# Altium PCB 串口板2.0.PcbDoc (part 2 of 2)
Units mil, origin at the board's own origin, x right, y up, seen from the top; angles counter-clockwise.
Board outline 4527.56 x 2952.76 mil, 2 copper layers (Top Layer, Bottom Layer); 155 components, 162 nets, 567 pads, 185 vias.
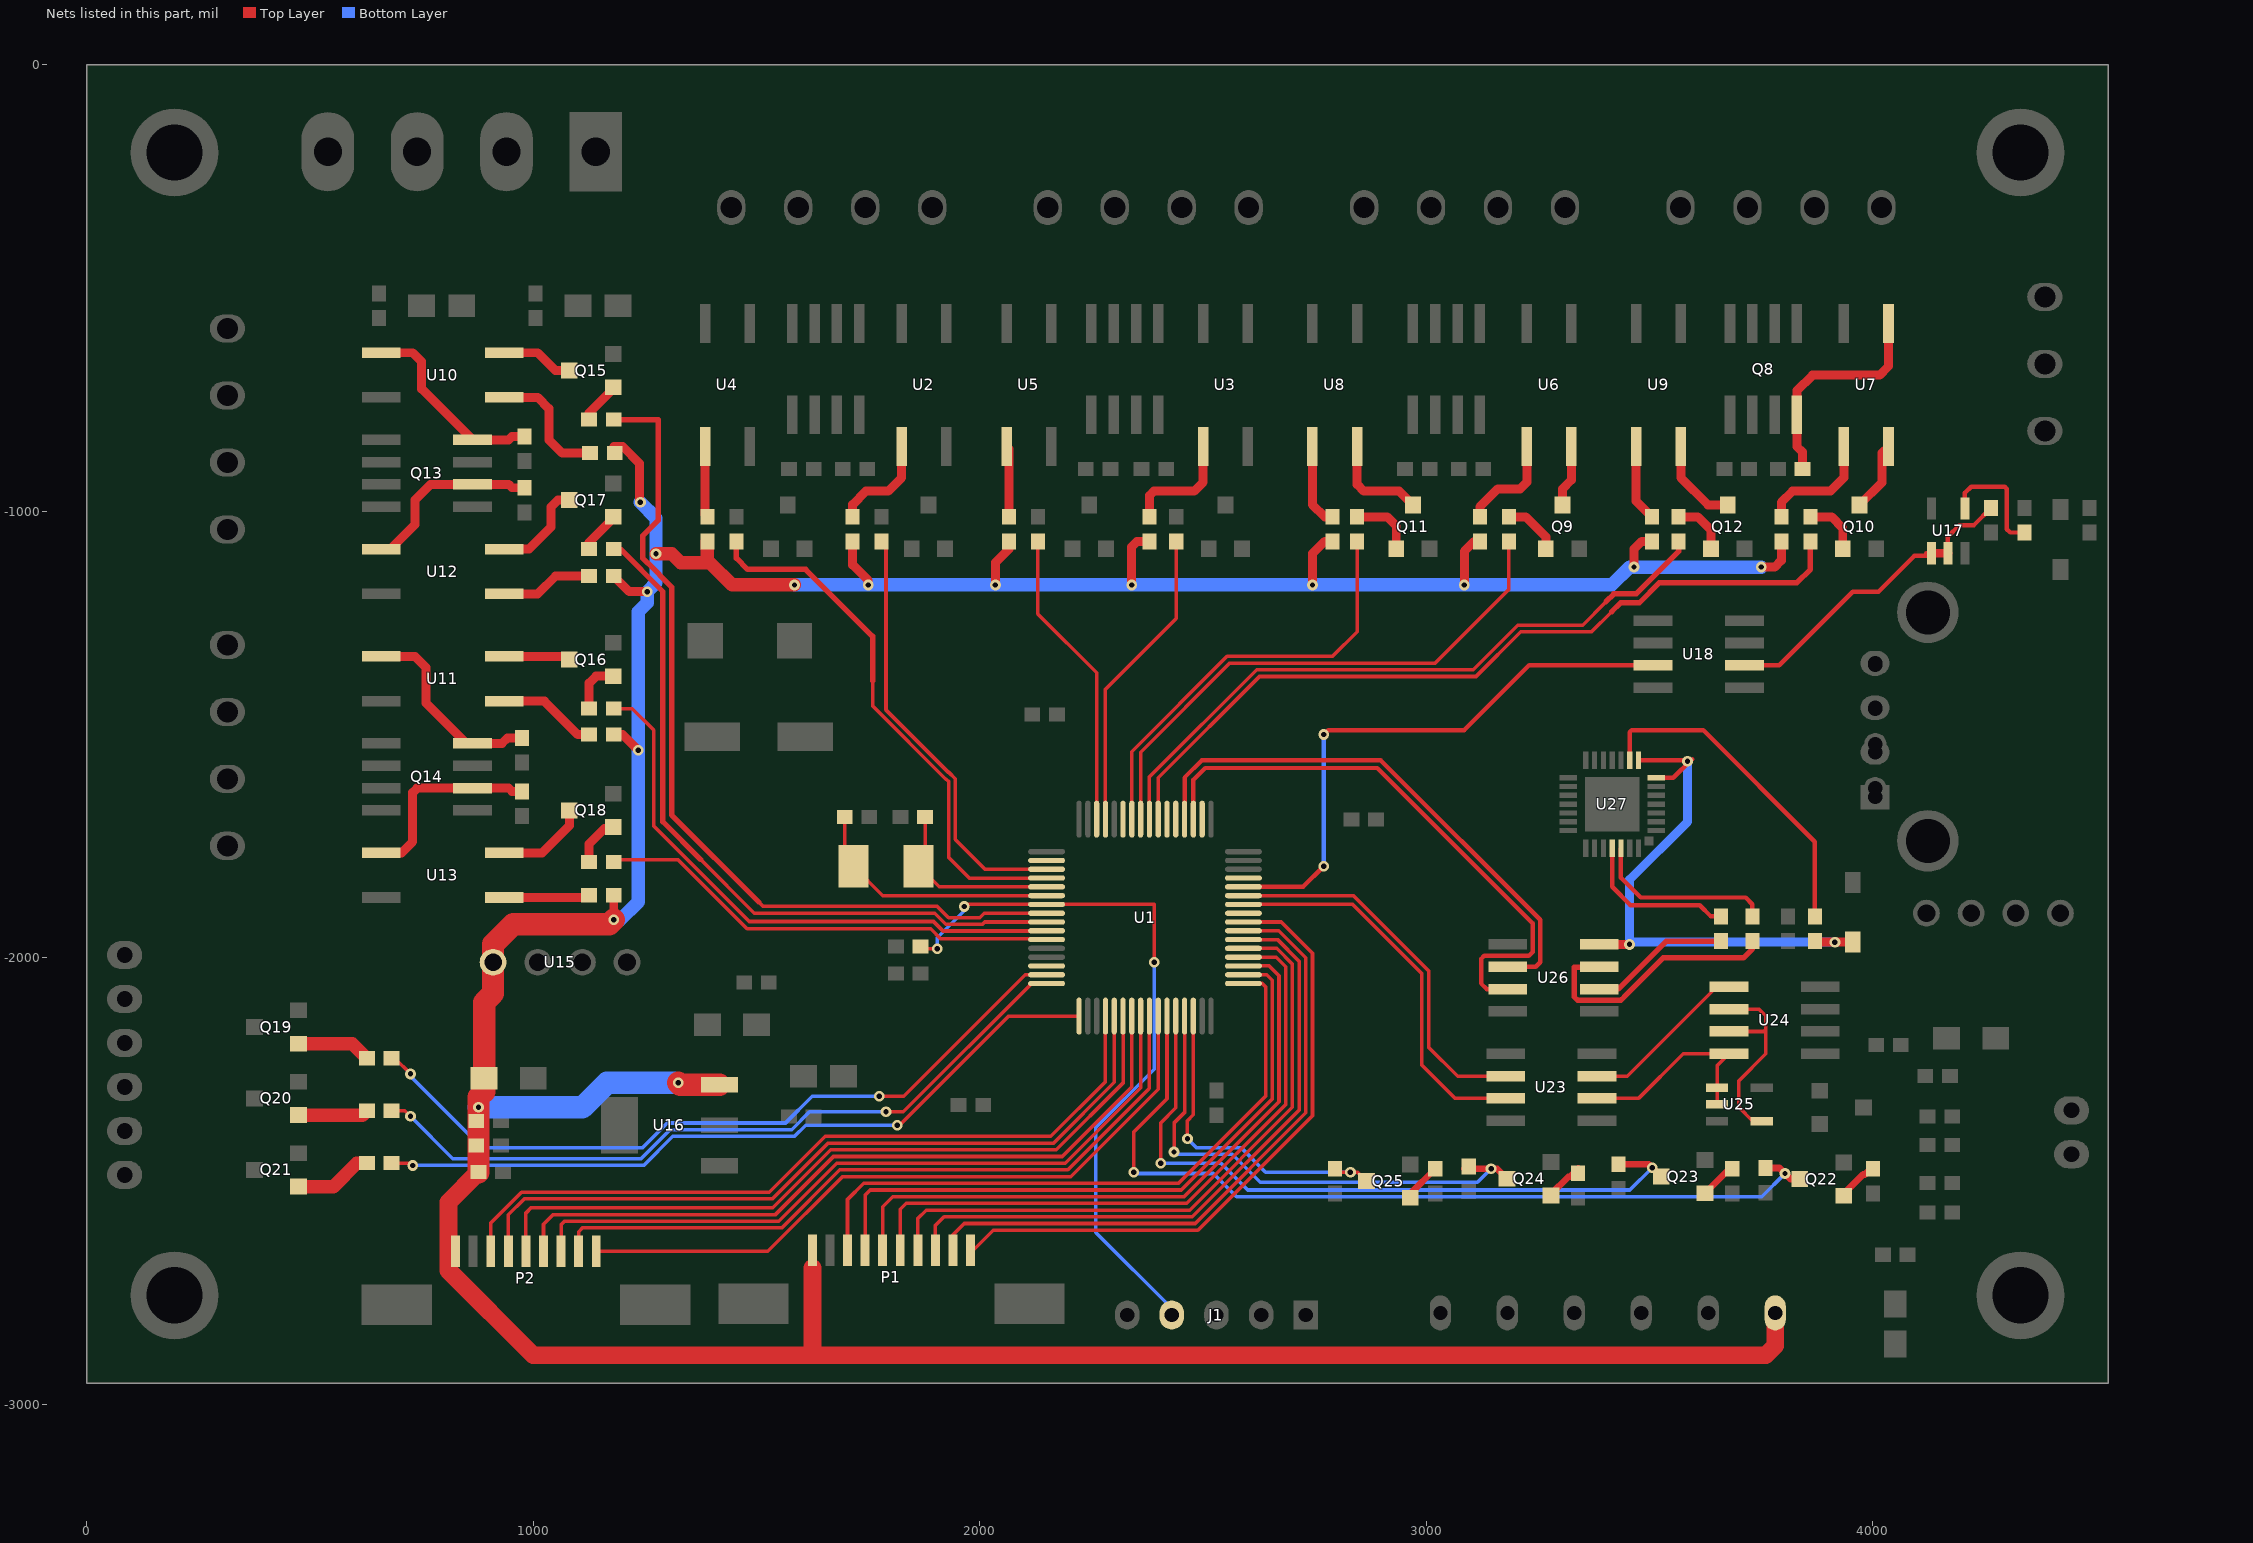
[diagram p2: the nets of this part, all layers, seen from the top]

## Via types
v1: diameter 24, hole 12, Top Layer to Bottom Layer, 185 vias

## Nets (pads, with @x,y where several pads share a name; then routed paths per layer and width w, separated by ;. In a path a pad name is that pad's centre, name@x,y a point inside that pad or via, vN(x,y) a via of type N, cw(c..) or ccw(c..) an arc to the next point about the centre after c; other vN are vias at no path point) (continued)
NetQ8_4: Q8.4 R22.2 U7.3 | length 503.8
  Top Layer w20: R22.2@3842.56,-905.25 3842.56,-867.56 3830,-855 Q8.4@3830,-784.13 3830,-730 3865,-695 4015,-695 4035,-675 U7.3@4035,-579.41
NetQ9_1: Q9.1 R16.1 | length 127.9
  Top Layer w20: R16.1@3185,-1012.44 3222.44,-1012.44 3267.6,-1057.6 Q9.1@3267.6,-1084.21
NetQ9_3: Q9.3 U6.2 | length 139.1
  Top Layer w20: Q9.3@3305,-985.79 3305,-950 3325,-930 U6.2@3325,-855.02
NetQ10_1: Q10.1 R17.1 | length 129.6
  Top Layer w20: R17.1@3860,-1012.44 3907.44,-1012.44 3932.6,-1037.6 Q10.1@3932.6,-1084.21
NetQ10_3: Q10.3 U7.2 | length 157.7
  Top Layer w20: Q10.3@3970,-985.79 4020,-935.79 4020,-870.02 U7.2@4035,-855.02
NetQ11_1: Q11.1 R24.1 | length 147.6
  Top Layer w20: R24.1@2845,-1012.44 2912.44,-1012.44 2932.6,-1032.6 Q11.1@2932.6,-1084.21
NetQ11_3: Q11.3 U8.2 | length 228.9
  Top Layer w20: U8.2@2845,-855.02 2845,-940 2860,-955 2939.21,-955 Q11.3@2970,-985.79
NetQ12_1: Q12.1 R25.1 | length 133.5
  Top Layer w20: R25.1@3565,-1012.44 3607.44,-1012.44 3637.6,-1042.6 Q12.1@3637.6,-1084.21 Q12.1@3630.79,-1084.21
NetQ12_3: Q12.3 U9.2 | length 200.2
  Top Layer w20: U9.2@3570,-855.02 3570,-925 3630.79,-985.79 Q12.3@3675,-985.79
NetQ13_2: Q13.2 R33.1 U12.3 | length 416
  Top Layer w20: U12.3@659.41,-1085 680,-1085 735,-1030 735,-975 770,-940 Q13.2@864.13,-940 945,-940 952.44,-947.44 R33.1@980,-947.44
NetQ13_4: Q13.4 R32.2 U10.3 | length 440.1
  Top Layer w20: U10.3@659.41,-645 730,-645 750,-665 750,-725.87 Q13.4@864.13,-840 945,-840 952.56,-832.44 R32.2@980,-832.44
NetQ14_2: Q14.2 R35.1 U13.3 | length 443.2
  Top Layer w20: U13.3@659.41,-1765 705,-1765 730,-1740 730,-1630 740,-1620 Q14.2@864.13,-1620 945,-1620 952.44,-1627.44 R35.1@975,-1627.44
NetQ14_4: Q14.4 R34.2 U11.3 | length 448.4
  Top Layer w20: U11.3@659.41,-1325 735,-1325 760,-1350 760,-1430 850,-1520 Q14.4@864.13,-1520 930,-1520 942.56,-1507.44 R34.2@975,-1507.44
NetQ15_1: Q15.1 R28.1 | length 95
  Top Layer w20: R28.1@1125.08,-795 1125.08,-779.92 1179.21,-725.79 Q15.1@1179.21,-722.4
NetQ15_3: Q15.3 U10.2 | length 162.3
  Top Layer w20: U10.2@935.02,-645 1010,-645 1050,-685 Q15.3@1080.79,-685
NetQ16_1: Q16.1 R29.1 | length 117.6
  Top Layer w20: R29.1@1125.08,-1442 1125.08,-1384.92 1140.6,-1369.4 Q16.1@1179.21,-1369.4
NetQ16_3: Q16.3 U11.2 | length 148.7
  Top Layer w20: U11.2@935.02,-1325 1073.79,-1325 Q16.3@1080.79,-1332
NetQ17_1: Q17.1 R36.1 | length 95
  Top Layer w20: R36.1@1125.08,-1085 1125.08,-1069.92 1179.21,-1015.79 Q17.1@1179.21,-1012.4
NetQ17_3: Q17.3 U12.2 | length 217.7
  Top Layer w20: U12.2@935.02,-1085 990,-1085 1040,-1035 1040,-990 1055,-975 Q17.3@1080.79,-975
NetQ18_1: Q18.1 R37.1 | length 89.5
  Top Layer w20: R37.1@1125.08,-1785 1125.08,-1744.92 1160,-1710
NetQ18_3: Q18.3 U13.2 | length 205.2
  Top Layer w20: U13.2@935.02,-1765 1020,-1765 1080.79,-1704.21 Q18.3@1080.79,-1670
NetQ19_1: Q19.1 R46.2 | length 166.7
  Top Layer w30: Q19.1@474.21,-2192.4 594.84,-2192.4 R46.2@627.44,-2225
NetQ20_1: Q20.1 R47.2 | length 157.3
  Top Layer w30: Q20.1@474.21,-2352.4 617.54,-2352.4 R47.2@627.44,-2342.5
NetQ21_1: Q21.1 R48.2 | length 174.9
  Top Layer w30: Q21.1@474.21,-2512.4 552.6,-2512.4 605,-2460 R48.2@627.44,-2460
NetQ22_1: Q22.1 R42.1 | length 99.8
  Top Layer w15: Q22.1@3934.47,-2532.87 3934.47,-2529.12 3978.25,-2485.34 3982,-2485.34 4000,-2467.34 R42.1@4000,-2462.44
NetQ23_1: Q23.1 R43.1 | length 83.6
  Top Layer w15: Q23.1@3624.21,-2527.4 3679.17,-2472.44 R43.1@3685,-2472.44
NetQ24_1: Q24.1 R44.1 | length 87.7
  Top Layer w15: Q24.1@3279.21,-2532.4 3279.21,-2529.38 3318.25,-2490.34 3321.27,-2490.34 R44.1@3340,-2471.61
NetQ25_1: Q25.1 R45.1 | length 88.9
  Top Layer w15: Q25.1@2964.21,-2537.4 2964.21,-2528.23 R45.1@3020,-2472.44 ; R45.1@3024.17,-2477.44 R45.1@3025,-2477.44
NetR2_1: R2.1 U2.1 | length 232.3
  Top Layer w20: R2.1@1715,-1012.44 1715,-985 1745,-955 1795,-955 1825,-925 U2.1@1825,-855
NetR3_1: R3.1 U3.1 | length 259.9
  Top Layer w20: R3.1@2380,-1012.44 2380,-965 2390,-955 2480,-955 2500,-935 U3.1@2500,-855
NetR6_1: R6.1 U4.1 | length 159.5
  Top Layer w20: U4.1@1385,-855 1385,-1007.44 R6.1@1390,-1012.44
NetR7_1: R7.1 U5.1 | length 159.5
  Top Layer w20: U5.1@2060,-855 2065,-860 R7.1@2065,-1012.44
NetR14_1: R14.1 U6.1 | length 230.2
  Top Layer w20: R14.1@3120,-1012.44 3120,-990 3160,-950 3210,-950 3225,-935 U6.1@3225,-855
NetR15_1: R15.1 U7.1 | length 265.2
  Top Layer w20: R15.1@3795,-1012.44 3795,-980 3820,-955 3905,-955 3935,-925 U7.1@3935,-855
NetR18_1: R18.1 U8.1 | length 186.4
  Top Layer w20: U8.1@2745,-855 2745,-985 2772.44,-1012.44 R18.1@2790,-1012.44
NetR19_1: R19.1 U9.1 | length 171.9
  Top Layer w20: U9.1@3470,-855 3470,-977.44 R19.1@3505,-1012.44
NetR26_1: R26.1 U10.1 | length 285.2
  Top Layer w20: U10.1@935,-745 1010,-745 1035,-770 1035,-840 1065,-870 R26.1@1127.44,-870
NetR27_1: R27.1 U11.1 | length 221.1
  Top Layer w20: U11.1@935,-1425 1025,-1425 1100,-1500 R27.1@1125.08,-1500
NetR30_1: R30.1 U12.1 | length 206.6
  Top Layer w20: U12.1@935,-1185 1010,-1185 1050,-1145 R30.1@1125.08,-1145
NetR31_1: R31.1 U13.1 | length 192.1
  Top Layer w20: U13.1@935,-1865 1120.08,-1865 R31.1@1125.08,-1860
NetR40_2: R40.2 U17.4 | length 270
  Top Layer w10: U17.4@4206,-994 4206,-959 4220,-945 4295,-945 4300,-950 4300,-1040 4307.56,-1047.56 R40.2@4340,-1047.56
NetR41_2: R41.2 U17.1 U17.2 U18.6 | length 717.9
  Top Layer w10: U18.6@3712.36,-1345 3790,-1345 3955,-1180 4012.58,-1180 4092.58,-1100 4120,-1100 ; 4120,-1094 U17.1@4131,-1094 ; U17.2@4168,-1094 4168,-1057 4194,-1031 4226.44,-1031 R41.2@4265,-992.44
  Top Layer w20: U17.1@4131,-1094 U17.2@4168,-1094
NetR52_1: R52.1 U27.25 | length 358.1
  Top Layer w10: U27.25@3416.2,-1754.32 3416.2,-1841.2 3457,-1882 3612,-1882 3637.44,-1907.44 R52.1@3660,-1907.44
NetR52_2: R52.2 U26.6 | length 317.1
  Top Layer w12: U26.6@3387.36,-2070 3430,-2070 3537.44,-1962.56 R52.2@3660,-1962.56
NetR53_1: R53.1 U27.26 | length 412.6
  Top Layer w10: U27.26@3435.88,-1754.32 3435.88,-1820.88 3480,-1865 3715,-1865 3730,-1880 R53.1@3730,-1907.44
NetR53_2: R53.2 U26.7 | length 590.6
  Top Layer w12: U26.7@3387.36,-2020 3386.31,-2021.06 3331.06,-2021.06 3331.06,-2087.2 3338.86,-2095 3435.86,-2095 3443.67,-2087.2 3443.67,-2086.33 3530,-2000 3710,-2000 3730,-1980 R53.2@3730,-1962.56
NetR54_1: R54.1 U27.9 | length 750.3
  Top Layer w10: U27.9@3455.57,-1557.47 3455.57,-1494.43 3460,-1490 3620,-1490 3870,-1740 R54.1@3870,-1907.44
NetU24_2: U24.2 U24.3 U25.4 | length 466.7
  Top Layer w8: U24.3@3677.64,-2165 3755,-2165 3760,-2160 ; U24.2@3677.64,-2115 3745,-2115 3760,-2130 3760,-2160 ; U25.4@3751,-2366 3731,-2366 3700,-2335 3700,-2275 3760,-2215 3760,-2160
OSC_IN: C1.1 U1.5 X1.2 | length 409.7
  Top Layer w8: C1.1@1877.56,-1685 1877.56,-1809.7 1908.96,-1841.1 U1.5@2149.53,-1841.1
OSC_OUT: C2.1 U1.6 X1.1 | length 577.8
  Top Layer w8: C2.1@1697.44,-1685 1697.44,-1775.25 X1.1@1717.18,-1794.99 1782.98,-1860.79 U1.6@2149.53,-1860.79
PA0: U1.14
PA1: R46.1 U1.15 | length 1713.1
  Top Layer w8: R46.1@682.56,-2225 690,-2225 v1(725,-2260) ; v1(1775,-2310) 1830,-2310 2102.05,-2037.95 U1.15@2149.53,-2037.95
  Bottom Layer w8: v1(725,-2260) 725,-2265 885,-2425 1245,-2425 1300,-2370 1565,-2370 1625,-2310 v1(1775,-2310)
PA2: R47.1 U1.16 | length 1674
  Top Layer w8: R47.1@682.56,-2342.5 712.5,-2342.5 v1(725,-2355) ; v1(1790,-2345) 1828.79,-2345 2116.15,-2057.64 U1.16@2149.53,-2057.64
  Bottom Layer w8: v1(725,-2355) 820,-2450 1241.21,-2450 1306.21,-2385 1578.79,-2385 1618.79,-2345 v1(1790,-2345)
PA3: R48.1 U1.17 | length 1680.4
  Top Layer w8: R48.1@682.56,-2460 725,-2460 v1(730,-2465) ; v1(1815,-2375) 1820,-2375 2064.53,-2130.47 U1.17@2222.36,-2130.47
  Bottom Layer w8: v1(730,-2465) 1247.43,-2465 1312.43,-2400 1585,-2400 1610,-2375 v1(1815,-2375)
PA4: P2.3 U1.20 | length 1712.8
  Top Layer w8: P2.3@904.84,-2652.17 904.84,-2593.94 973.79,-2525 1528.79,-2525 1653.79,-2400 2158.79,-2400 2281.42,-2277.37 U1.20@2281.42,-2130.47
PA5: P2.4 U1.21 | length 1704.7
  Top Layer w8: P2.4@944.21,-2652.17 944.21,-2575.79 980,-2540 1535,-2540 1660,-2415 2165,-2415 2301.1,-2278.9 U1.21@2301.1,-2130.47
PA6: P2.5 U1.22 | length 1688.4
  Top Layer w8: P2.5@983.58,-2652.15 983.58,-2571.42 995,-2560 1536.21,-2560 1666.21,-2430 2171.21,-2430 2320.79,-2280.43 U1.22@2320.79,-2130.47
PA7: P2.6 U1.23 | length 1659.1
  Top Layer w8: P2.6@1022.95,-2652.17 1022.95,-2597.05 1045,-2575 1542.43,-2575 1672.43,-2445 2185,-2445 2340.47,-2289.53 U1.23@2340.47,-2130.47
PA8: U1.41
PA9: U1.42 U23.3 | length 887.2
  Top Layer w8: U1.42@2590.47,-1880.47 2835.47,-1880.47 2990,-2035 2990,-2240 3065,-2315 U23.3@3177.64,-2315
PA10: U1.43 U23.2 | length 854.9
  Top Layer w8: U1.43@2590.47,-1860.79 2837,-1860.79 3005,-2028.79 3005,-2200 3070,-2265 U23.2@3177.64,-2265
PA11: U1.44 U18.3 | length 1295.5
  Top Layer w10: U1.44@2590.47,-1841.1 2723.9,-1841.1 v1(2770,-1795) ; v1(2770,-1500) 2780,-1490 3085,-1490 3230,-1345 U18.3@3507.64,-1345
  Bottom Layer w10: v1(2770,-1795) v1(2770,-1500)
PA12: U1.45
PA15: U1.50
PB0: P2.9 U1.26 | length 1572.5
  Top Layer w8: P2.9@1141.06,-2657.17 1525.26,-2657.17 1692.43,-2490 2203.64,-2490 2399.53,-2294.11 U1.26@2399.53,-2130.47
PB1: C16.2 Q22.3 U1.27 | length 1969.7
  Top Layer w8: v1(2345,-2480) 2345,-2390 2419.21,-2315.79 U1.27@2419.21,-2130.47
  Top Layer w15: C16.2@3759.25,-2470.91 3790.91,-2470.91 3815.47,-2495.47 Q22.3@3836.04,-2495.47
  Bottom Layer w8: v1(2345,-2480) 2348,-2483 2523,-2483 2575,-2535 3751.38,-2535 v1(3803.19,-2483.19)
PB2: C17.2 Q23.3 U1.28 | length 1597.1
  Top Layer w8: v1(2405,-2460) 2405,-2370 2438.9,-2336.1 U1.28@2438.9,-2130.47
  Top Layer w15: C17.2@3430,-2462.44 3498.23,-2462.44 v1(3505.79,-2470) Q23.3@3525.79,-2490
  Bottom Layer w8: v1(2405,-2460) 2540,-2460 2600,-2520 3455.79,-2520 v1(3505.79,-2470)
PB3: R17.2 U1.55 | length 1809.1
  Top Layer w8: U1.55@2399.53,-1689.53 2399.53,-1596.69 2626.21,-1370 3111.21,-1370 3211.21,-1270 3370,-1270 3415,-1225
  Top Layer w12: 3415,-1225 3435,-1205 3476.87,-1205 3521.87,-1160 3830,-1160 3860,-1130 R17.2@3860,-1067.56
PB4: R25.2 U1.56 | length 1511.2
  Top Layer w8: U1.56@2379.84,-1689.53 2379.84,-1595.16 2620,-1355 3105,-1355 3205,-1255 3350,-1255 3402.5,-1202.5
  Top Layer w12: 3402.5,-1202.5 3420,-1185 3470,-1185 3565,-1090 R25.2@3565,-1067.56
PB5: R16.2 U1.57 | length 1233.1
  Top Layer w8: U1.57@2360.16,-1689.53 2360.16,-1539.84 2560,-1340 3020,-1340 3185,-1175 R16.2@3185,-1067.56
PB6: R24.2 U1.58 | length 969.3
  Top Layer w8: U1.58@2340.47,-1689.53 2340.47,-1538.31 2553.79,-1325 2790,-1325 2845,-1270 R24.2@2845,-1067.56
PB7: U1.59
PB8: R5.2 U1.61 | length 687.7
  Top Layer w8: U1.61@2281.42,-1689.53 2281.42,-1398.58 2440,-1240 R5.2@2440,-1067.56
PB9: R13.2 U1.62 | length 676.5
  Top Layer w8: R13.2@2130,-1067.56 2130,-1230 2261.73,-1361.73 U1.62@2261.73,-1689.53
PB10: C18.2 Q24.3 U1.29 | length 1170.3
  Top Layer w8: v1(2435,-2435) 2435,-2370 2458.58,-2346.42 U1.29@2458.58,-2130.47
  Top Layer w15: C18.2@3085,-2472.44 v1(3145,-2472.44) 3158.23,-2472.44 Q24.3@3180.79,-2495
  Bottom Layer w8: v1(2435,-2435) 2440,-2440 2565,-2440 2628,-2503 3114.44,-2503 v1(3145,-2472.44)
PB11: C19.2 Q25.3 U1.30 | length 758.3
  Top Layer w8: v1(2465,-2405) 2465,-2365 2478.27,-2351.73 U1.30@2478.27,-2130.47 ; C19.2@2795,-2472.44 2802.56,-2480 v1(2830,-2480) 2845.79,-2480 Q25.3@2865.79,-2500
  Bottom Layer w8: v1(2465,-2405) 2485,-2425 2585,-2425 2640,-2480 v1(2830,-2480)
PB12: P1.3 U1.33 | length 1443.4
  Top Layer w8: P1.3@1703.74,-2655 1703.74,-2541.26 1740,-2505 2445,-2505 2640,-2310 2640,-2065 2632.64,-2057.64 U1.33@2590.47,-2057.64
PB13: P1.4 U1.34 | length 1460.1
  Top Layer w8: P1.4@1743.11,-2655 1743.11,-2531.89 1755,-2520 2451.21,-2520 2655,-2316.21 2655,-2050 2642.95,-2037.95 U1.34@2590.47,-2037.95
PB14: P1.5 U1.35 | length 1453.3
  Top Layer w8: P1.5@1782.48,-2654.98 1782.48,-2557.52 1805,-2535 2457.43,-2535 2670,-2322.43 2670,-2040 2648.27,-2018.27 U1.35@2590.47,-2018.27
PB15: P1.6 U1.36 | length 1464.2
  Top Layer w8: P1.6@1821.85,-2655 1821.85,-2563.15 1835,-2550 2463.64,-2550 2685,-2328.64 2685,-2020 2663.58,-1998.58 U1.36@2590.47,-1998.58
PC0: R28.2 U1.8 | length 1965.3
  Top Layer w8: 1505,-1875 1515,-1885 1905,-1885 1930,-1910 2000,-1910 2009.84,-1900.16 U1.8@2149.53,-1900.16
  Top Layer w12: R28.2@1180.2,-795 1280,-795 1280,-1020 1245,-1055 1245,-1105 1255,-1115 1255.4,-1115 1310,-1169.6 1310,-1680 1505,-1875
PC1: R36.2 U1.9 | length 1621.3
  Top Layer w8: 1375,-1780 1495,-1900 1898.79,-1900 1923.79,-1925 2006.21,-1925 2011.37,-1919.84 U1.9@2149.53,-1919.84
  Top Layer w12: R36.2@1180.2,-1085 1195.36,-1085 1290,-1179.64 1290,-1695 1375,-1780
PC2: R29.2 U1.10 | length 1302
  Top Layer w8: R29.2@1180.2,-1442 1222,-1442 1270,-1490 1270,-1705 1483.71,-1918.71 1896.29,-1918.71 1917.57,-1940 2149.53,-1940 U1.10@2149.53,-1939.53
PC3: R37.2 U1.11 | length 1045.6
  Top Layer w8: R37.2@1180.2,-1785 1185.2,-1780 1323.79,-1780 1478.79,-1935 1890,-1935 1912,-1957 2147.32,-1957 U1.11@2149.53,-1959.21
PC4: P2.7 U1.24 | length 1639.9
  Top Layer w8: P2.7@1062.32,-2652.17 1062.32,-2597.68 1070,-2590 1550,-2590 1680,-2460 2191.21,-2460 2360.16,-2291.06 U1.24@2360.16,-2130.47
PC5: P2.8 U1.25 | length 1612
  Top Layer w8: P2.8@1101.69,-2652.17 1101.69,-2613.31 1110,-2605 1556.21,-2605 1686.21,-2475 2197.43,-2475 2379.84,-2292.58 U1.25@2379.84,-2130.47
PC6: P1.7 U1.37 | length 1458.2
  Top Layer w8: P1.7@1861.22,-2655 1861.22,-2583.78 1880,-2565 2469.85,-2565 2700,-2334.85 2700,-2013.79 2665.11,-1978.9 U1.37@2590.47,-1978.9
PC7: P1.8 U1.38 | length 1455.1
  Top Layer w8: P1.8@1900.59,-2655 1900.59,-2599.41 1920,-2580 2476.07,-2580 2715,-2341.07 2715,-2007.57 2666.64,-1959.21 U1.38@2590.47,-1959.21
PC8: P1.9 U1.39 | length 1449.8
  Top Layer w8: P1.9@1939.96,-2655 1939.96,-2620.04 1965,-2595 2482.28,-2595 2730,-2347.28 2730,-2000 2669.53,-1939.53 U1.39@2590.47,-1939.53
PC9: P1.10 U1.40 | length 1437.6
  Top Layer w8: P1.10@1979.33,-2655 1985,-2655 2030,-2610 2488.49,-2610 2745,-2353.49 2745,-1990 2674.84,-1919.84 U1.40@2590.47,-1919.84
PC10: U1.51 U26.3 | length 1309
  Top Layer w10: U1.51@2478.27,-1689.53 2478.27,-1601.73 2505,-1575 2890,-1575 3238,-1923 3238,-1987 3229.73,-1995.27 3129.73,-1995.27 3122.5,-2002.5 3122.5,-2057.5 3135,-2070 U26.3@3182.64,-2070
PC11: U1.52 U26.2 | length 1224.8
  Top Layer w10: U1.52@2458.58,-1689.53 2458.58,-1596.42 2497,-1558 2898,-1558 3255,-1915 3255,-2010 3245,-2020 U26.2@3182.64,-2020
PC12: U1.53
PC13: U1.2
PC14: R4.2 U1.3 | length 968.7
  Top Layer w8: R4.2@1780,-1067.56 1790,-1077.56 1790,-1445 1930,-1585 1931.21,-1585 1945,-1598.79 1945,-1735 2011.73,-1801.73 U1.3@2149.53,-1801.73
PC15: R12.2 U1.4 | length 1219.8
  Top Layer w8: 1760,-1380 1760,-1436.21 1923.79,-1600 1925,-1600 1930,-1605 1930,-1775 1976.42,-1821.42 U1.4@2149.53,-1821.42
  Top Layer w12: R12.2@1455,-1067.56 1455,-1105 1480,-1130 1610,-1130 1760,-1280 1760,-1380
PD2: U1.54
RESET: J1.4 R1.2 U1.7 | length 1630.7
  Top Layer w8: R1.2@1867.56,-1975 1872.56,-1980 v1(1905,-1980) ; v1(1965,-1885) 1969.53,-1880.47 U1.7@2149.53,-1880.47 2390.47,-1880.47 v1(2390.47,-2010)
  Bottom Layer w8: v1(1905,-1980) 1905,-1955 1965,-1895 v1(1965,-1885) ; v1(2390.47,-2010) 2390.47,-2249.53 2260,-2380 2260,-2615 2430,-2785 J1.4@2430,-2800
SRX: U23.7 U24.1 | length 378.1
  Top Layer w8: U23.7@3382.36,-2265 3450,-2265 3650,-2065 U24.1@3677.64,-2065
STX: U23.6 U24.4 U25.1 U25.2 | length 460.7
  Top Layer w8: U23.6@3382.36,-2315 3475,-2315 3575,-2215 U24.4@3677.64,-2215 3651,-2241.64 U25.1@3651,-2291 U25.2@3651,-2328
VBUS: D8.2 R54.2 U26.8 U27.7 U27.8 | length 1294.6
  Top Layer w10: U27.8@3475.25,-1557.47 v1@3592.53,-1557.47 ; U27.7@3514.62,-1596.84 3553.16,-1596.84 v1@3592.53,-1557.47 ; v1@3595,-1555 v1@3592.53,-1557.47
  Top Layer w20: U26.8@3387.36,-1970 v1(3455,-1970) ; R54.2@3870,-1962.56 3872.44,-1965 v1(3915,-1965) D8.2@3955,-1965
  Bottom Layer w20: v1(3585,-1560) 3585,-1695 3455,-1825 v1(3455,-1970) 3460,-1965 v1(3915,-1965)
VIN: C10.1 C11.2 C12.2 C13.2 P1.1 P2.1 P10.2 R2.2 R3.2 R6.2 R7.2 R14.2 R15.2 R18.2 R19.2 R26.2 R27.2 R30.2 R31.2 U15.4 U16.3 | length 9667.2
  Top Layer w20: v1@1180.2,-1914.8 R31.2@1180.2,-1860 ; R27.2@1180.2,-1500 1200,-1500 v1(1235,-1535) ; R30.2@1180.2,-1145 1180.2,-1145.2 1215,-1180 v1(1255,-1180) ; R26.2@1180.2,-855 1200,-855 1237.5,-892.5 1237.5,-977.5 v1(1240,-980) ; R2.2@1715,-1067.56 1715,-1120 1750,-1155 v1(1750,-1165) ; v1(2035,-1165) 2035,-1115 2065,-1085 R7.2@2065,-1067.56 ; v1(2340,-1165) 2340,-1080 2352.44,-1067.56 R3.2@2380,-1067.56 ; v1(2745,-1165) 2745,-1095 2772.44,-1067.56 R18.2@2790,-1067.56 ; v1(3085,-1165) 3085,-1090 3107.44,-1067.56 R14.2@3120,-1067.56 ; v1(3465,-1125) 3465,-1085 3482.44,-1067.56 R19.2@3505,-1067.56 ; v1(3750,-1125) 3780,-1125 3795,-1110 R15.2@3795,-1067.56
  Top Layer w30: v1(1275,-1095) 1310,-1095 1330,-1115 1390,-1115 ; R6.2@1390,-1067.56 1390,-1115 ; v1(1585,-1165) 1445,-1165 1395,-1115 1390,-1115
  Top Layer w40: C13.2@877.44,-2480 810,-2547.44 810,-2700 1000,-2890 1620,-2890 ; 1625,-2695 1625,-2885 1620,-2890 ; P10.2@3781.3,-2795.28 3781.3,-2868.7 3760,-2890 1620,-2890
  Top Layer w50: C13.2@877.44,-2480 v1(877.44,-2335) 877.44,-2312.56 890,-2300 C10.1@890,-2270 890,-2100 910,-2080 U15.4@910,-2010 910,-1970 955,-1925 1170,-1925 v1(1180,-1915) v1@1180.2,-1914.8 ; v1(1325,-2280) 1329.45,-2284.45 U16.3@1417.2,-2284.45
  Bottom Layer w30: v1(1180,-1915) 1195,-1915 1235,-1875 v1(1235,-1535) 1235,-1225 1255,-1205 v1(1255,-1180) 1275,-1160 v1(1275,-1095) 1275,-1015 v1(1240,-980) ; v1(1585,-1165) v1(1750,-1165) v1(2035,-1165) v1(2340,-1165) v1(2745,-1165) v1(3085,-1165) 3415,-1165 3455,-1125 v1(3465,-1125) v1(3750,-1125)
  Bottom Layer w50: v1(877.44,-2335) 1110,-2335 1165,-2280 v1@1315,-2280
pads on no net: J4.5 P1.0 P2.0 U18.2 U18.7 U27.0 U27.1 U27.2 U27.10 U27.11 U27.12 U27.13 U27.14 U27.15 U27.16 U27.17 U27.18 U27.19 U27.20 U27.21 U27.22 U27.23 U27.24 U27.27 U27.28

## Polygon pours and split planes (outlines as drawn)
GND on Bottom Layer "GND-No Net" (solid, remove dead copper, pour order 20): 1050,-1975 1055,-1980 1055,-2095 1085,-2125 1100,-2140 1260,-2140 1290,-2140 1355,-2075 1620,-1810 1620,-1720 1620,-1675 1695,-1600 1710,-1585 1710,-1315 1710,-1215 1725,-1200 1730,-1195 1790,-1195 3315,-1195 3370,-1250 3355,-1265 3355,-1410 3270,-1410 3260,-1420 3170,-1510 3170,-1600 3170,-1810 3235,-1875 3240,-1880 3240,-2085 3240,-2850 3245,-2855 3235,-2865 3145,-2865 515,-2865 470,-2820 470,-2525 470,-2170 600,-2040 665,-1975 750,-1975 1045,-1975 1055,-1985
G_USB on Bottom Layer "GND-No Net" (solid, remove dead copper, pour order 12): 3290,-1450 3535,-1450 3775,-1450 3795,-1450 3930,-1315 3945,-1300 4020,-1300 4340,-1300 4380,-1340 4385,-1345 4385,-1715 4040,-1715 4010,-1745 4000,-1755 4000,-1920 4000,-1985 3995,-1990 3990,-1995 3925,-1995 3605,-1995 3530,-2070 3460,-2140 3290,-2140 3290,-1830 3230,-1770 3230,-1685 3230,-1510 3270,-1470 3285,-1455 3290,-1455
G_ISO on Bottom Layer "GND-No Net" (solid, remove dead copper, pour order 10): 3290,-2385 3320,-2415 3360,-2415 4020,-2415 4040,-2435 4040,-2500 4040,-2535 4015,-2560 3990,-2585 3990,-2670 3990,-2690 4005,-2705 4080,-2705 4215,-2570 4245,-2540 4475,-2540 4505,-2510 4505,-2315 4505,-1840 4500,-1835 4485,-1820 4415,-1820 4050,-1820 4040,-1830 4030,-1840 4030,-1890 4030,-2005 4015,-2020 4010,-2025 3770,-2025 3640,-2025 3585,-2080 3490,-2175 3290,-2175 3290,-2385
12V_GND on Bottom Layer "GND-No Net" (solid, remove dead copper, pour order 4): 645,-25 645,-225 645,-330 710,-395 775,-460 775,-545 775,-575 830,-630 835,-635 835,-760 835,-955 855,-985 860,-1000 860,-1075 860,-1895 865,-1900 855,-1910 835,-1910 655,-1910 595,-1970 565,-2000 480,-2000 295,-2000 85,-1790 90,-1785 90,-485 290,-485 295,-480 420,-320 420,-25
5V_GND on Bottom Layer "GND-No Net" (solid, remove dead copper, pour order 2): 840,-30 840,-455 845,-460 975,-460 975,-590 970,-595 975,-600 1110,-600 1280,-600 1285,-605 1320,-640 1320,-780 4070,-780 4095,-805 4100,-810 4100,-1140 4505,-1140 4510,-1135 4520,-1125 4520,-435 1310,-435 1285,-310 1060,-320 1060,-185 1060,-135 1060,-30 1055,-25 1050,-30 845,-30
GND on Top Layer "GND-No Net" (solid, remove dead copper, pour order 18): 1050,-1975 1055,-1980 1055,-2095 1085,-2125 1100,-2140 1260,-2140 1290,-2140 1355,-2075 1620,-1810 1620,-1720 1620,-1675 1695,-1600 1710,-1585 1710,-1315 1710,-1215 1725,-1200 1730,-1195 1790,-1195 3315,-1195 3370,-1250 3355,-1265 3355,-1410 3270,-1410 3260,-1420 3170,-1510 3170,-1600 3170,-1810 3235,-1875 3240,-1880 3240,-2085 3240,-2850 3245,-2855 3235,-2865 3145,-2865 515,-2865 470,-2820 470,-2525 470,-2170 600,-2040 665,-1975 750,-1975 1045,-1975 1055,-1985
G_USB on Top Layer "GND-No Net" (solid, remove dead copper, pour order 14): 3290,-1450 3535,-1450 3775,-1450 3795,-1450 3930,-1315 3945,-1300 4020,-1300 4340,-1300 4380,-1340 4385,-1345 4385,-1715 4040,-1715 4010,-1745 4000,-1755 4000,-1920 4000,-1985 3995,-1990 3990,-1995 3925,-1995 3605,-1995 3530,-2070 3460,-2140 3290,-2140 3290,-1830 3230,-1770 3230,-1685 3230,-1510 3270,-1470 3285,-1455 3290,-1455
G_ISO on Top Layer "GND-No Net" (solid, remove dead copper, pour order 8): 3290,-2385 3320,-2415 3360,-2415 4020,-2415 4040,-2435 4040,-2500 4040,-2535 4015,-2560 3990,-2585 3990,-2670 3990,-2690 4005,-2705 4080,-2705 4215,-2570 4245,-2540 4475,-2540 4505,-2510 4505,-2315 4505,-1840 4500,-1835 4485,-1820 4415,-1820 4050,-1820 4040,-1830 4030,-1840 4030,-1890 4030,-2005 4015,-2020 4010,-2025 3770,-2025 3640,-2025 3585,-2080 3490,-2175 3290,-2175 3290,-2385

## Other copper
Top Layer:
  rectangle net 12V_IN: 160.02,-1348.66 355.02,-1253.66
  rectangle net 12V_IN: 160,-940 355,-845
  rectangle net 5V_GND: 4205,-1135 4355,-1080
  rectangle net 5V_GND: 1655,-705 1710,-650
  rectangle net 5V_GND: 2325,-705 2380,-650
  rectangle net 5V_GND: 3045,-705 3100,-650
  rectangle net 5V_GND: 3755,-705 3810,-650
  rectangle net 5V_IN: 1075,-310 1225,-160
  rectangle net 5V_IN: 1844.02,-360 1944.02,-205
  rectangle net 5V_IN: 1544.02,-359.98 1644.02,-204.98
  rectangle net 5V_IN: 2552.68,-360 2652.68,-205
  rectangle net 5V_IN: 2252.68,-359.98 2352.68,-204.98
  rectangle net 5V_IN: 3261.34,-360 3361.34,-205
  rectangle net 5V_IN: 2961.34,-359.98 3061.34,-204.98
  rectangle net 5V_IN: 3670,-359.98 3770,-204.98
  rectangle net 5V_IN: 3970,-360 4070,-205
  rectangle net 5V_IN: 1090,-220 4085,-40
  region net 12V_GND: 865,-1560 855,-1550 810,-1550 782.5,-1522.5 747.5,-1522.5 733.75,-1536.25 733.75,-1573.75 755,-1595 805,-1595 820,-1580 865,-1580
  region net 12V_GND: 865,-880 855,-870 810,-870 782.5,-842.5 747.5,-842.5 733.75,-856.25 733.75,-893.75 755,-915 805,-915 820,-900 865,-900
  region net 12V_GND: 910,-975 910,-1040 860,-1040 855,-1040 850,-1040 850,-1085 785,-1085 770,-1070 770,-975
  region net 12V_GND: 910,-1655 910,-1720 860,-1720 855,-1720 850,-1720 850,-1765 785,-1765 770,-1750 770,-1655
  region net 12V_IN: 15,-2025 200,-2025 205,-2020 205,-1650 165,-1610 65,-1610 40,-1635 40,-1895 25,-1910 15,-1910
  region net 12V_IN: 825,-50 825,-210 840,-225 840,-455 620,-455 550,-525 550,-650 545,-645 225,-645 215,-655 215,-1525 355,-1525 355,-1665 345,-1675 45,-1675 45,-505 70,-480 295,-480 455,-320 625,-320 640,-305 640,-55 645,-50
  region net NetP8_4: 260,-1700 460,-1700 460,-1615 465,-1610 705,-1610 705,-1690 690,-1705 580,-1705 495,-1790 255,-1790 255,-1710
  region net NetP8_2: 255,-1400 535,-1400 535,-1445 565,-1475 700,-1475 700,-1580 520,-1580 435,-1495 255,-1495 250,-1490 255,-1485
  region net NetP7_4: 255,-995 535,-995 535,-935 540,-930 705,-930 705,-1005 695,-1015 630,-1015 545,-1100 265,-1100 255,-1090
  region net NetP7_2: 255,-690 265,-700 515,-700 515,-775 525,-785 700,-785 700,-900 470,-900 440,-870 440,-810 270,-810 255,-795
  region net 5V_GND: 3590,-750.87 3655,-750.87 3655,-810.87 3690,-810.87 3690,-720.87 3690,-715.87 3685,-700.87 3590,-700.87
  region net 5V_GND: 2880,-765 2945,-765 2945,-825 2980,-825 2980,-735 2980,-730 2975,-715 2880,-715
  region net 5V_GND: 1490,-765 1555,-765 1555,-825 1590,-825 1590,-735 1590,-730 1585,-715 1490,-715
  region net 5V_GND: 2160,-765 2225,-765 2225,-825 2260,-825 2260,-735 2255,-730 2255,-715 2160,-715
  region net 5V_IN: 4070,-205 4110,-245 4110,-345 4195,-430 4485,-430 4485,-565 4470,-580 4260,-580 4110,-470 4040,-415 3975,-350 3975,-290
  region net NetP6_2: 3770,-620 3775,-625 3840,-625 3840,-535 3895,-480 3905,-480 3905,-370 3920,-355 3915,-350 3915,-265 3825,-265 3820,-260 3820,-440 3810,-450 3770,-450 3770,-625 3775,-630 3785,-620
  region net NetP6_4: 3525,-260 3620,-260 3625,-265 3625,-440 3715,-440 3740,-465 3740,-620 3670,-620 3670,-540 3630,-500 3560,-500 3525,-465
  region net NetP5_2: 3060,-625 3065,-620 3135,-620 3135,-530 3205,-460 3205,-260 3110,-260 3110,-435 3070,-435 3055,-450 3055,-620 3115,-620 3120,-625
  region net NetP5_4: 2815,-260 2905,-260 2905,-360 2910,-365 2905,-370 2905,-430 3020,-430 3030,-440 3030,-630 3025,-635 3010,-620 2960,-620 2960,-540 2925,-505 2845,-505 2815,-475
  region net NetP4_2: 2400,-620 2415,-605 2415,-530 2465,-480 2500,-480 2500,-265 2490,-255 2410,-255 2410,-395 2370,-435 2340,-435 2340,-620
  region net NetP4_4: 2105,-260 2105,-465 2120,-480 2225,-480 2240,-495 2240,-620 2305,-620 2310,-625 2315,-620 2315,-440 2300,-425 2230,-425 2195,-390 2195,-260
  region net NetP3_2: 1745,-620 1745,-530 1800,-475 1800,-370 1790,-360 1790,-260 1705,-260 1695,-270 1695,-410 1665,-440 1665,-620
  region net NetP3_4: 1400,-265 1405,-260 1490,-260 1490,-375 1495,-380 1495,-415 1600,-415 1615,-430 1635,-430 1645,-440 1645,-625 1640,-630 1635,-625 1565,-625 1565,-525 1530,-490 1430,-490 1395,-455 1395,-265
Bottom Layer:
  region net 12V_GND: 185,-2040 190,-2035 190,-1835 525,-1835 525,-2005 470,-2060 320,-2060 245,-2135 15,-2135 15,-2040

## Silkscreen, mask and mechanical layers (free items; w line width, h text height)
Top Overlay:
  circle w10: c4330.71,-2755.91 r196.85
  circle w10: c4330.71,-196.85 r196.85
  circle w10: c196.85,-196.85 r196.85
  lines w5.91: 207.05,-2582.52 257.48,-2582.52 335,-2505 335,-1915 317.48,-1897.48 207.05,-1897.48 ; 207.05,-2435 335,-2435 ; 207.05,-2330 330,-2330 335,-2325 ; 207.05,-2245 330,-2245 ; 207.05,-2150 335,-2150 ; 207.05,-2035 330,-2035 335,-2030 ; 354.33,-1839.57 569.09,-1839.57 605,-1803.66 605,-1323.66 490.2,-1208.86 490,-1208.86 ; 354.33,-1524.21 600.55,-1524.21 ; 354.33,-1268.66 460,-1268.66 490,-1238.66 490,-1208.86 ; 354.33,-1208.86 490,-1208.86 ; 354.33,-1130.91 569.09,-1130.91 605,-1095 605,-615 490.2,-500.2 490,-500.2 ; 354.33,-815.55 600.55,-815.55 ; 354.33,-560 460,-560 490,-530 490,-500.2 ; 354.33,-500.2 490,-500.2 ; 440,-348.54 440,-425 475,-460 1220,-460 1240,-440 1240,-348.54 ; 840,-460 840,-348.54 ; 1353.15,-355 1353.15,-489.13 1364.02,-500 1983.7,-500 1983.86,-499.84 1983.86,-359.33 ; 1668.5,-359.33 1668.5,-499.49 1669.02,-500 ; 2061.81,-355 2061.81,-489.13 2072.68,-500 2692.36,-500 2692.52,-499.84 2692.52,-359.33 ; 2377.17,-359.33 2377.17,-499.49 2377.68,-500 ; 2770.47,-355 2770.47,-489.13 2781.34,-500 3401.02,-500 3401.18,-499.84 3401.18,-359.33 ; 2956.3,-2657.48 2956.3,-2613.7 2990,-2580 3830,-2580 3856.98,-2606.98 3856.98,-2656.03 ; 3085.83,-359.33 3085.83,-499.49 3086.34,-500 ; 3107.61,-2657.03 3107.61,-2582.61 ; 3256.98,-2656.03 3256.98,-2583.02 ; 3405,-2655 3405,-2580 ; 3479.13,-355 3479.13,-489.13 3490,-500 4109.69,-500 4109.84,-499.84 4109.84,-359.33 ; 3556.98,-2656.03 3556.98,-2583.02 ; 3706.3,-2657.48 3706.3,-2581.3 ; 3794.49,-359.33 3794.49,-499.49 3795,-500 ; 4130,-740 4135,-745 4227.52,-745 ; 4130,-595 4227.52,-595 ; 4227,-910.55 4190.55,-910.55 4130,-850 4130,-485 4185.55,-429.45 4227.52,-429.45 ; 4235,-2395 4322.95,-2395 ; 4322.95,-2536.46 4266.46,-2536.46 4235,-2505 4235,-2285 4274.88,-2245.12 4322.95,-2245.12
  lines w10: 0,-3159.61 0,-3139.61 ; 60,-3169.61 0,-3149.61 ; 60,-3129.61 0,-3149.61 ; 1938.27,-3149.61 0,-3149.61 ; 2589.28,-3149.61 4527.56,-3149.61 ; 4467.56,-3169.61 4527.56,-3149.61 ; 4467.56,-3129.61 4527.56,-3149.61 ; 4527.56,-3159.61 4527.56,-3139.61 ; 4704.41,-2932.13 4724.41,-2992.13 ; 4704.41,-60 4724.41,0 ; 4714.41,-2992.13 4734.41,-2992.13 ; 4714.41,0 4734.41,0 ; 4724.41,-1812.57 4724.41,-2992.13 ; 4724.41,-1179.56 4724.41,0 ; 4744.41,-2932.13 4724.41,-2992.13 ; 4744.41,-60 4724.41,0
  text "G1" at 585,-375 h60 r180
  text "12V" at 815,-375 h60 r180
  text "G2" at 985,-380 h60 r180
  text "5V" at 1210,-380 h60 r180
  text "O8" at 1479.02,-405 h60 r180
  text "5V" at 1634.02,-405 h60 r180
  text "O7" at 1779.02,-405 h60 r180
  text "5V" at 1944.02,-405 h60 r180
  text "O6" at 2187.68,-405 h60 r180
  text "5V" at 2342.68,-405 h60 r180
  text "O5" at 2487.68,-405 h60 r180
  text "5V" at 2652.68,-405 h60 r180
  text "O4" at 2896.34,-405 h60 r180
  text "5V" at 3051.34,-405 h60 r180
  text "O3" at 3196.34,-405 h60 r180
  text "5V" at 3361.34,-405 h60 r180
  text "O2" at 3605,-405 h60 r180
  text "5V" at 3760,-405 h60 r180
  text "O1" at 3905,-405 h60 r180
  text "5V" at 4070,-405 h60 r180
  text "5V" at 4200,-565 h45 r90
  text "12V" at 385,-630 h60
  text "D" at 4200,-710 h45 r90
  text "12_O1" at 370,-775 h60
  text "G" at 4195,-835 h45 r90
  text "12V" at 380,-920 h60
  text "12_O2" at 360,-1075 h60
  text "12V" at 385,-1338.66 h60
  text "G" at 3940,-1355 h36 r90
  text "G" at 4465,-1355 h36 r90
  text "D+" at 3940,-1460 h36 r90
  text "D+" at 4465,-1460 h36 r90
  text "12_O3" at 360,-1485 h60
  text "D-" at 3945,-1560 h36 r90
  text "D-" at 4470,-1560 h36 r90
  text "12V" at 380,-1628.66 h60
  text "V" at 3950,-1665 h36 r90
  text "V" at 4475,-1665 h36 r90
  text "12_O4" at 360,-1783.66 h60
  text "2992.126 (mil)" at 4776.11,-1802.57 h60 r90
  text "12V" at 225,-2010 h45
  text "GND" at 215,-2115 h40
  text "3V3" at 220,-2210 h40
  text "DIR" at 220,-2310 h40
  text "B" at 4300,-2350 h45 r90
  text "STP" at 215,-2405 h40
  text "A" at 4300,-2470 h45 r90
  text "EN" at 215,-2505 h40
  text "VIN" at 1640,-2575 h40 r90
  text "VIN" at 830,-2590 h40 r90
  text "12V" at 3745,-2629 h35
  text "In4" at 3005,-2630 h36
  text "In3" at 3145,-2630 h36
  text "In2" at 3290,-2630 h36
  text "In1" at 3445,-2630 h36
  text "GND" at 3585,-2630 h36
  text "3.3V" at 2745,-2675 h40 r90
  text "4527.559 (mil)" at 1948.27,-3201.31 h60
Mechanical 1:
  the board outline again, w10